# Altium PCB MAINBOARD_PCB.PcbDoc (part 5 of 5)
Units mm, origin at the board's own origin, x right, y up, seen from the top; angles counter-clockwise.
Board outline 480.55 x 38.8 mm, 4 copper layers (Top Layer, Int1 (GND), Int2 (PWR), Bottom Layer), stack 1.547 mm thick; 399 components, 366 nets, 1333 pads, 1063 vias.
Unrouted connection lines stored in the file: 46.
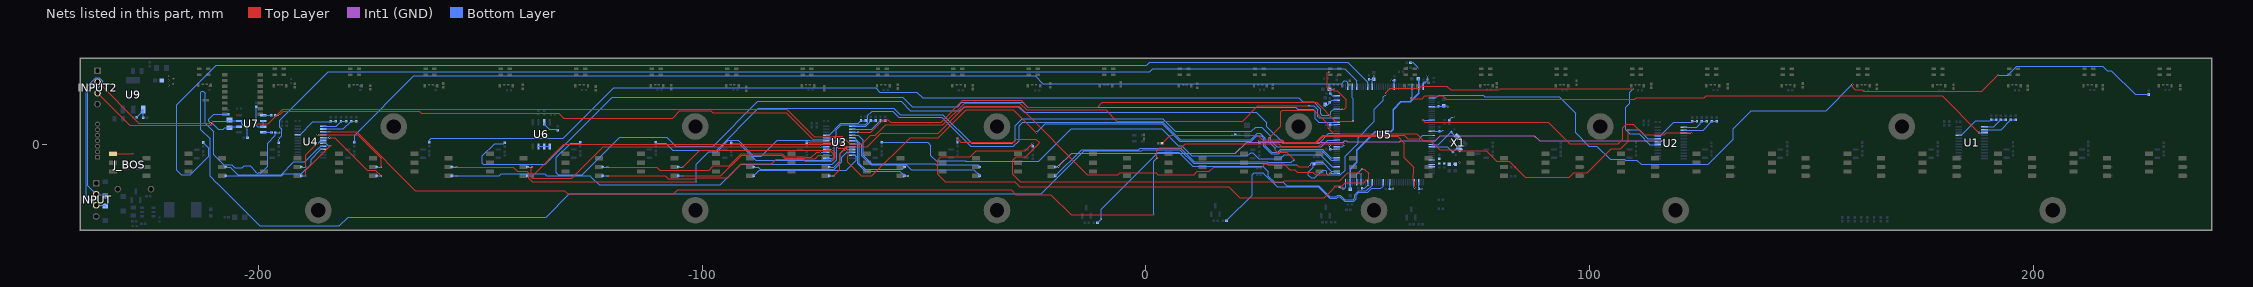
[diagram p7: the nets of this part, all layers, seen from the top]

## Via types
v1: diameter 0.4, hole 0.2, Top Layer to Bottom Layer, tented both sides, 1063 vias

## Nets (pads, with @x,y where several pads share a name; then routed paths per layer and width w, separated by ;. In a path a pad name is that pad's centre, name@x,y a point inside that pad or via, vN(x,y) a via of type N, cw(c..) or ccw(c..) an arc to the next point about the centre after c; other vN are vias at no path point) (continued)
NetR56_2: R56.2 U2.18 | length 110.2
  Top Layer w0.2: v1(54.05,11.2) 54.05,11.6 55.06,12.61 61.558,12.61 61.573,12.626 61.585,12.626 62.01,13.05 67.847,13.05 68.658,12.239 79.52,12.239 79.836,12.555 109.795,12.555 v1(109.825,12.525)
  Bottom Layer w0.2: R56.2@37.875,-4.525 37.85,-4.525 37.675,-4.7 37.675,-5.192 36.6,-6.267 36.6,-6.966 37.234,-7.6 38.075,-7.6 39.85,-5.825 40.563,-5.825 40.7,-5.962 40.7,-6.655 40.934,-6.89 43.844,-6.89 44.875,-5.859 44.875,-2.716 47.807,0.216 47.807,1.504 51.453,5.15 51.453,7.878 53.525,9.95 53.525,10.675 v1(54.05,11.2) ; v1(109.825,12.525) 109.05,11.75 109.05,9.2 108.152,8.302 108.152,3.277 108.364,3.064 109.066,2.362 109.486,2.362 109.498,2.375 111.168,2.375 113.593,-0.05 U2.18@115.373,-0.05
NetR58_2: R58.2 U5.41 | length 47.3
  Top Layer w0.2: v1(25.522,0.9) 25.722,0.7 30.174,0.7 30.674,0.2 38.351,0.2 39.926,1.775 56.759,1.775 58.275,0.259 58.275,-3.05 60.4,-5.175 60.4,-6.691 60.294,-6.797 60.294,-8.212 60.55,-8.469 v1(60.55,-9.775)
  Bottom Layer w0.2: R58.2@25.519,0.316 25.522,0.32 v1(25.522,0.9) ; U5.41@60.494,-8.519 60.494,-9.719 v1(60.55,-9.775)
NetR59_2: R59.2 U5.55 | length 48.3
  Bottom Layer w0.15: R59.2@18.144,-17.25 18.169,-17.25 18.344,-17.075 18.344,-17.05 23.9,-11.494 23.9,-6.891 24.416,-6.375 26.363,-6.375 29.613,-9.625 38.881,-9.625 41.406,-12.151 42.956,-12.151 43.331,-11.776 43.71,-11.776 44.76,-12.825 46.818,-12.825 47.39,-12.254 47.39,-11.481 48.001,-10.87 49.943,-10.87 50.863,-9.95 52.95,-9.95 53.494,-9.406 U5.55@53.494,-8.519
NetR60_2: R60.2 U5.60 | length 77.6
  Bottom Layer w0.15: R60.2@-10.931,-17.65 -10.906,-17.65 v1(-10.106,-16.85) -10.106,-14.631 2.725,-1.8 7.407,-1.8 10.557,-4.95 26.375,-4.95 27.575,-6.15 27.575,-7.163 28.987,-8.575 30.95,-8.575 31.7,-9.325 38.934,-9.325 41.46,-11.851 42.832,-11.851 43.207,-11.476 43.783,-11.476 44.856,-12.548 46.677,-12.548 47.116,-12.109 47.116,-11.381 47.972,-10.525 49.652,-10.525 50.994,-9.183 U5.60@50.994,-8.519
NetR61_2: R61.2 U2.19 | length 142.7
  Int1 (GND) w0.2: v1(-19.75,-5) -16.775,-2.025 20.152,-2.025 22.677,0.5 44.511,0.5 44.812,0.8 45.143,0.8 45.393,0.55 57.175,0.55 57.45,0.825 65.241,0.825 66.391,1.975 87.567,1.975 88.742,0.8 116.431,0.8 116.707,1.075 v1(116.85,1.075)
  Bottom Layer w0.2: R61.2@-20.446,-5.125 -20.359,-5.038 -19.788,-5.038 v1(-19.75,-5) ; U2.19@115.373,0.6 115.438,0.665 116.296,0.665 116.707,1.075 v1(116.85,1.075)
NetR62_2: R62.2 U3.4 | length 33.8
  Bottom Layer w0.2: U3.4@-66.235,2.075 -64.881,2.075 -63.769,0.963 -63.769,-2.437 -61.856,-4.35 -47.55,-4.35 -47.25,-4.65 -37.913,-4.65 -37.788,-4.776 -37.788,-4.809 -37.471,-5.125 R62.2@-37.446,-5.125
NetR63_2: R63.2 U3.6 | length 17.2
  Bottom Layer w0.2: U3.6@-66.235,0.775 -65.441,0.775 -64.6,-0.066 -64.6,-4.347 -63.334,-5.613 -55.526,-5.613 -55.464,-5.675 -54.988,-5.675 -54.796,-5.483 -54.796,-5.45 -54.471,-5.125 R63.2@-54.446,-5.125
NetR64_2: R64.2 U2.20 | length 172.2
  Top Layer w0.2: v1(27.65,1.4) 30.325,4.075 30.325,7.3 30.742,7.717 37.858,7.717 41.094,4.481 41.094,3.559 42.278,2.375 61.019,2.375 62.544,0.85 64.125,0.85 66.175,-1.2 70.55,-1.2 70.78,-1.43 76.674,-1.43 79.064,-3.82 81.874,-3.82 85.474,-7.42 95.433,-7.42 96.423,-6.43 99.447,-6.43 104.851,-1.025 107.076,-1.025 108.75,0.649 108.75,3.206 v1(108.769,3.225) ; v1(29.1,-0.9) 29.1,-1.325 29.605,-1.83 31.73,-1.83 v1(33.375,-3.475)
  Bottom Layer w0.2: R64.2@-20.446,-7.125 -20.421,-7.125 -14.496,-1.2 -1.601,-1.2 -1.301,-0.9 7.78,-0.9 10.867,-3.987 27.32,-3.987 27.407,-4.075 32.775,-4.075 v1(33.375,-3.475) ; v1(27.65,1.4) 27.675,1.375 27.675,0.525 v1(29.1,-0.9) ; v1(108.769,3.225) 111.167,3.225 113.142,1.25 U2.20@115.373,1.25
NetR66_2: R66.2 U3.5 | length 33.7
  Bottom Layer w0.2: U3.5@-66.235,1.425 -65.676,1.425 -65.326,1.075 -65.317,1.075 -64.069,-0.173 -64.069,-2.562 -61.98,-4.65 -54.063,-4.65 -52.93,-5.784 -38.78,-5.784 -37.646,-6.917 -37.646,-6.95 -37.471,-7.125 R66.2@-37.446,-7.125
NetR68_2: R68.2 U3.7 | length 18.2
  Bottom Layer w0.2: U3.7@-66.235,0.125 -66.218,0.108 -65.199,0.108 -64.999,-0.092 -64.999,-3.707 -65.007,-3.715 -65.007,-4.365 -63.321,-6.05 -55.513,-6.05 -54.646,-6.917 -54.646,-6.95 -54.471,-7.125 R68.2@-54.446,-7.125 -54.421,-7.15 -53.666,-7.15 v1(-53.641,-7.175)
NetR70_2: R70.2 U5.67 | length 134.6
  Top Layer w0.2: v1(-25.581,0.225) -27.236,-1.43 -38.281,-1.43 -39.671,-2.82 -46.271,-2.82 -46.998,-3.547 -46.998,-6.703 -45.281,-8.42 -29.554,-8.42 -28.448,-9.525 18.65,-9.525 21.15,-12.025 40.213,-12.025 42.402,-9.836 42.402,-9.61 42.636,-9.375 44.21,-9.375 44.866,-8.72 49.097,-8.72 50.194,-7.623 50.194,-6.585 49.222,-5.614 48.766,-5.614 v1(48.727,-5.575)
  Bottom Layer w0.2: v1(-25.581,0.225) -25.562,0.206 -25.562,-0.406 R70.2@-25.544,-0.425 ; U5.67@47.494,-8.519 47.494,-6.744 48.662,-5.575 v1(48.727,-5.575)
NetR71_2: R71.2 U5.65 | length 113.1
  Top Layer w0.2: v1(-42.499,1.4) -42.499,1.345 -42.199,1.046 -42.199,0.976 -41.724,0.5 -29.85,0.5 -29.225,1.125 -24.816,1.125 -24.099,0.409 -24.099,0.217 -27.137,-2.82 -29.271,-2.82 -29.998,-3.547 -29.998,-6.703 -28.301,-8.4 -22.55,-8.4 -22.529,-8.42 -20.063,-8.42 -20.043,-8.4 -5.55,-8.4 -5.529,-8.42 -3.063,-8.42 -3.043,-8.4 11.45,-8.4 11.471,-8.42 30.937,-8.42 31.182,-8.175 43.713,-8.175 45.459,-6.43 47.934,-6.43 48.167,-6.662 48.489,-6.662 v1(48.527,-6.7)
  Bottom Layer w0.2: R71.2@-42.499,0.45 v1(-42.499,1.4) ; U5.65@48.494,-8.519 48.52,-8.493 v1@48.52,-6.75
NetR72_2: R72.2 U5.76 | length 113.6
  Bottom Layer w0.2: R72.2@-59.556,0.45 -59.556,0.425 -49.25,0.425 -48.5,-0.325 -48.5,-2.575 -47.325,-3.75 -40.69,-3.75 -40.64,-3.8 -24.198,-3.8 -16.898,3.5 3.499,3.5 7.299,-0.3 8.028,-0.3 10.367,-2.639 22.874,-2.639 23.588,-1.925 24.075,-1.925 24.97,-2.821 24.97,-2.843 25.402,-3.275 30.278,-3.275 31.178,-2.375 39.305,-2.375 41.98,-5.05 U5.76@43.025,-5.05
NetR73_2: R73.2 U3.8 | length 8.1
  Bottom Layer w0.2: R73.2@-71.446,-5.125 -70.356,-5.125 -68.95,-3.719 -68.95,-1.97 -67.505,-0.525 U3.8@-66.235,-0.525
NetR74_2: R74.2 U3.10 | length 24.6
  Bottom Layer w0.2: R74.2@-88.446,-5.125 -87.431,-5.125 -86.956,-5.6 -70.265,-5.6 -68.6,-3.935 -68.6,-2.92 -67.505,-1.825 U3.10@-66.235,-1.825
NetR75_2: R75.2 U3.13 | length 39.4
  Top Layer w0.2: v1(-104.431,-5.125) -100.631,-1.325 -71.308,-1.325 -70.323,-2.309 -70.323,-2.725 v1(-70.723,-3.125)
  Bottom Layer w0.2: R75.2@-105.446,-5.125 v1(-104.431,-5.125) ; U3.13@-72.077,-3.125 v1(-70.723,-3.125)
NetR76_2: R76.2 U3.9 | length 9.7
  Top Layer w0.2: v1(-70.431,-7.125) -69.01,-5.704 -69.01,-2.285 -68.125,-1.4 v1(-67.578,-1.4)
  Bottom Layer w0.2: R76.2@-71.446,-7.125 v1(-70.431,-7.125) ; v1(-67.578,-1.4) -67.524,-1.4 -67.299,-1.175 U3.9@-66.235,-1.175
NetR78_2: R78.2 U3.11 | length 26.4
  Bottom Layer w0.2: R78.2@-88.446,-7.125 -88.421,-7.125 -87.196,-5.9 -67.616,-5.9 -65.299,-3.583 -65.299,-2.853 -65.676,-2.475 U3.11@-66.235,-2.475
NetR80_2: R80.2 U3.14 | length 38.7
  Top Layer w0.2: v1(-104.431,-7.125) -95.842,-7.125 -91.147,-2.43 -82.134,-2.43 -81.434,-3.13 -77.165,-3.13 -77.02,-3.275 -74.622,-3.275 -73.777,-2.43 -70.823,-2.43 -70.777,-2.475 v1(-70.723,-2.475)
  Bottom Layer w0.2: R80.2@-105.446,-7.125 v1(-104.431,-7.125) ; U3.14@-72.077,-2.475 v1(-70.723,-2.475)
NetR82_2: R82.2 U5.79 | length 139.5
  Top Layer w0.2: v1(-76.031,0.475) -75.931,0.375 -70.663,0.375 -70.339,0.051 -70.323,0.051 -69.397,-0.875 -67.538,-0.875 -67.178,-1.234 -67.178,-2.655 -67.189,-2.666 -67.189,-4.086 -64.17,-7.105 -61.804,-7.105 -53.2,1.5 -47.025,1.5 -47.008,1.483 -46.842,1.483 -40.55,7.775 -29.9,7.775 v1(-24.75,2.625) v1@-24.725,2.625
  Bottom Layer w0.2: R82.2@-76.524,0.375 -76.424,0.475 v1(-76.031,0.475) ; v1(-24.75,2.625) -22.757,4.618 3.654,4.618 7.597,0.675 23.756,0.675 24.981,1.9 25.937,1.9 26.594,1.243 26.594,-0.419 28.275,-2.1 29.875,-2.1 30.5,-1.475 39.678,-1.475 41.753,-3.55 U5.79@43.025,-3.55
NetR83_2: R83.2 U5.80 | length 160.7
  Bottom Layer w0.2: R83.2@-93.531,0.375 -93.531,0.35 -93.356,0.175 -91.672,0.175 -87.943,-3.554 -71.128,-3.554 -71.099,-3.525 -70.558,-3.525 -70.323,-3.291 -70.323,0.386 -69.825,0.884 -69.825,3.25 -68.675,4.4 -67.057,4.4 -67.055,4.403 -63.246,4.403 -62.681,4.967 -62.681,6.559 -61.766,7.475 -57.137,7.475 -55.75,6.087 -46.036,6.087 -39.524,-0.425 -29.875,-0.425 -28.6,0.85 -28.6,4.217 -27.842,4.975 3.721,4.975 7.721,0.975 23.632,0.975 25.132,2.475 25.786,2.475 26.894,1.367 26.894,-0.294 28.351,-1.752 29.748,-1.752 30.325,-1.175 39.802,-1.175 40.127,-1.5 41.677,-3.05 U5.80@43.025,-3.05
NetR84_2: R84.2 U5.88 | length 170.4
  Bottom Layer w0.15: R84.2@-110.506,0.475 -110.506,0.45 -110.331,0.275 -108.248,0.275 -106.673,-1.3 -96.75,-1.3 -87.375,8.075 -56.84,8.075 -55.452,6.687 -45.787,6.687 -39.3,0.2 -30.125,0.2 -29.525,0.8 -29.525,4.141 -27.866,5.8 3.745,5.8 6.62,2.925 23.756,2.925 24.706,3.875 26.118,3.875 28.167,1.826 28.167,0.743 29.485,-0.575 39.501,-0.575 41.026,0.95 U5.88@43.025,0.95
NetR85_2: R85.2 U3.15 | length 53
  Top Layer w0.2: v1(-121.431,-5.125) -110.307,-5.125 -109.612,-5.82 -98.517,-5.82 -97.517,-4.82 -93.962,-4.82 -91.271,-2.13 -82.01,-2.13 -81.31,-2.83 -77.041,-2.83 -76.895,-2.975 -75.416,-2.975 -74.266,-1.825 v1(-73.431,-1.825)
  Bottom Layer w0.2: R85.2@-122.446,-5.125 v1(-121.431,-5.125) ; v1(-73.431,-1.825) U3.15@-72.077,-1.825
NetR86_2: R86.2 U3.17 | length 73
  Top Layer w0.2: v1(-138.431,-5.125) -138.594,-5.288 -138.594,-7.453 -138.397,-7.65 -129.501,-7.65 -122.376,-0.525 v1(-73.431,-0.525)
  Bottom Layer w0.2: R86.2@-139.446,-5.125 v1(-138.431,-5.125) ; v1(-73.431,-0.525) U3.17@-72.077,-0.525
NetR87_2: R87.2 U3.19 | length 95.7
  Top Layer w0.2: v1(-155.431,-5.125) -142.696,-5.125 -141.701,-6.12 -139.621,-6.12 -139.194,-6.547 -139.194,-7.702 -138.396,-8.5 v1(-101.4,-8.5)
  Bottom Layer w0.2: R87.2@-156.446,-5.125 v1(-155.431,-5.125) ; v1(-101.4,-8.5) -101.4,-4.503 -98.543,-1.646 -96.672,-1.646 -94.151,0.875 -91.948,0.875 -88.398,-2.675 -86.725,-2.675 -83.175,0.875 -75.866,0.875 -75.766,0.775 U3.19@-72.077,0.775
NetR88_2: R88.2 U3.16 | length 58.5
  Top Layer w0.2: v1(-121.431,-7.125) -108.347,-7.125 -107.652,-7.82 -101.71,-7.82 -101.44,-7.55 -94.325,-7.55 -91.205,-4.43 -84.335,-4.43 -83.335,-3.43 -77.289,-3.43 -76.899,-3.82 -70.853,-3.82 -70.023,-2.991 -70.023,-1.875 v1(-70.723,-1.175)
  Bottom Layer w0.2: R88.2@-122.446,-7.125 v1(-121.431,-7.125) ; U3.16@-72.077,-1.175 v1(-70.723,-1.175)
NetR90_2: R90.2 U3.18 | length 73.1
  Top Layer w0.2: v1(-138.182,-7.25) -138.182,-6.951 -131.256,-0.025 v1(-70.853,-0.025)
  Bottom Layer w0.2: R90.2@-139.446,-7.125 -138.356,-7.125 -138.231,-7.25 v1(-138.182,-7.25) ; U3.18@-72.077,0.125 -72.06,0.108 -71.041,0.108 -70.908,-0.025 v1(-70.853,-0.025)
NetR92_2: R92.2 U3.20 | length 98.7
  Top Layer w0.2: v1(-70.25,1.45) -68.975,1.45 v1(-68.95,1.425)
  Bottom Layer w0.2: R92.2@-156.446,-7.125 v1(-155.431,-7.125) -145.781,-7.125 -145.306,-6.65 -135.564,-6.65 -135.089,-7.125 -125.347,-7.125 -125.181,-7.291 -123.297,-9.175 -95.95,-9.175 -91.322,-4.547 -70.731,-4.547 -69.723,-3.539 -69.723,0.138 -68.95,0.91 v1(-68.95,1.425) ; U3.20@-72.077,1.425 -72.052,1.45 v1(-70.25,1.45)
NetR94_2: R94.2 U5.91 | length 201
  Bottom Layer w0.15: R94.2@-127.531,0.45 -127.531,0.425 -127.706,0.25 -129.731,0.25 -132.956,-2.975 -132.956,-6.415 -132.546,-6.825 -127.047,-6.825 -118.647,1.575 -108.025,1.575 -106.05,-0.4 -97.55,-0.4 -87.5,9.65 -55.19,9.65 -53.127,7.587 -41.938,7.587 -41.025,8.5 -28.794,8.5 -27.494,7.2 24.874,7.2 27.25,4.824 27.25,3.982 31.007,0.225 39.028,0.225 41.253,2.45 U5.91@43.025,2.45
NetR95_2: R95.2 U5.96 | length 211.1
  Bottom Layer w0.2: R95.2@-144.571,0.35 -144.571,0.325 -144.746,0.15 -146.871,0.15 -149.656,-2.635 -149.656,-4.291 -149.422,-4.525 -135.422,-4.525 -120.347,10.55 -54.817,10.55 -52.755,8.487 -42.488,8.487 -41.5,9.475 -27.772,9.475 -26.672,8.375 33.775,8.375 34.214,7.936 37.654,7.936 38.133,7.456 38.133,5.767 38.95,4.95 U5.96@43.025,4.95
NetR96_2: R96.2 U5.102 | length 227.2
  Top Layer w0.2: v1(41.325,16.325) 41.287,16.287 41.079,16.287 40.875,16.083 40.875,12.727 41.277,12.325 42,12.325 42.275,12.05 43.109,12.05 45.101,10.059 45.101,8.401 44.65,7.95 v1(44.269,7.95)
  Bottom Layer w0.2: R96.2@-161.556,0.425 -161.556,0.95 -161.132,1.375 -131.384,1.375 -120.008,12.75 -60.972,12.75 -59.997,11.775 -51.657,11.775 -50.382,10.5 34.45,10.5 35.375,9.575 37.797,9.575 39.2,8.172 39.2,8.168 39.359,8.009 39.359,6.883 39.642,6.6 41.4,6.6 41.675,6.875 41.675,7.28 42.345,7.95 U5.102@43.025,7.95 v1(44.269,7.95)
NetR97_2: R97.2 U4.4 | length 20.9
  Top Layer w0.2: v1(-186.789,2.15) -177.716,2.15 -172.431,-3.134 v1(-172.431,-5.125)
  Bottom Layer w0.2: v1(-186.789,2.15) U4.4@-185.435,2.15 ; R97.2@-173.446,-5.125 v1(-172.431,-5.125)
NetR98_2: R98.2 U4.6 | length 9.1
  Top Layer w0.2: v1(-189.431,-5.125) -189.431,-2.4 v1(-186.831,0.2)
  Bottom Layer w0.2: R98.2@-190.446,-5.125 v1(-189.431,-5.125) ; v1(-186.831,0.2) -186.793,0.238 -186.606,0.238 -185.994,0.85 U4.6@-185.435,0.85
NetR99_2: R99.2 U4.8 | length 25.4
  Bottom Layer w0.2: R99.2@-207.446,-5.125 -206.431,-5.125 -204.731,-6.825 -194.972,-6.825 -192.116,-3.969 -189.7,-3.969 -186.806,-1.075 -186.768,-1.037 -186.581,-1.037 -185.994,-0.45 U4.8@-185.435,-0.45
NetR100_2: R100.2 U4.5 | length 17.6
  Top Layer w0.2: v1(-184.081,1.5) -182.897,1.5 -175.577,-5.82 -173.736,-5.82 v1(-172.431,-7.125)
  Bottom Layer w0.2: U4.5@-185.435,1.5 v1(-184.081,1.5) ; R100.2@-173.446,-7.125 v1(-172.431,-7.125)
NetR102_2: R102.2 U4.7 | length 11.9
  Top Layer w0.2: v1(-189.431,-7.125) -189.431,-5.884 -183.897,-0.35 v1(-183.881,-0.35)
  Bottom Layer w0.2: R102.2@-190.446,-7.125 v1(-189.431,-7.125) ; U4.7@-185.435,0.2 -184.876,0.2 -184.365,-0.312 -183.92,-0.312 v1(-183.881,-0.35)
NetR104_2: R104.2 U4.9 | length 25.2
  Bottom Layer w0.2: R104.2@-207.434,-7.137 R104.2@-207.446,-7.125 -194.848,-7.125 -194.373,-6.65 -190.391,-6.65 -188.231,-4.491 -188.231,-3.337 -185.994,-1.1 U4.9@-185.435,-1.1
NetR106_2: R106.2 U5.110 | length 233.2
  Bottom Layer w0.2: R106.2@-178.531,0.425 -178.431,0.525 -178.431,2.044 -165.075,15.4 -25.024,15.4 -23.316,13.692 9.609,13.692 9.617,13.7 44.109,13.7 44.734,14.325 45.066,14.325 45.454,13.937 45.454,12.959 U5.110@45.494,12.919
NetR107_2: R107.2 U5.114 | length 255.6
  Bottom Layer w0.2: R107.2@-195.531,0.35 v1(-195.531,1.3) -194.882,1.949 -194.882,3.418 -195.281,3.817 -195.281,5.433 -184.414,16.3 0.845,16.3 1.57,17.025 44.833,17.025 47.494,14.364 U5.114@47.494,12.919
NetR108_2: R108.2 U5.119 | length 303.1
  Bottom Layer w0.2: R108.2@-212.544,0.388 -212.544,0.363 -212.219,0.038 -212.186,0.038 -211.306,-0.842 -211.306,-2.716 -215.416,-6.825 -217.546,-6.825 -218.506,-5.865 -218.506,8.893 -209.599,17.8 0.15,17.8 0.875,18.525 45.454,18.525 49.994,13.986 U5.119@49.994,12.919
NetR146_2: R146.2 U6.7 | length 4.1
  Bottom Layer w0.2: U6.7@-135.703,4.99 -135.703,4.548 -134.555,3.4 -132.756,3.4 -132.581,3.225 R146.2@-132.581,3.2
NetR147_1: R147.1 U7.1 | length 1.8
  Bottom Layer w0.2: U7.1@-198.991,6.523 U7.1@-198.991,6.523 -197.182,6.524 R147.1@-197.181,6.525
NetR147_2: R147.2 U5.73 | length 257.1
  Top Layer w0.2: v1(-195.382,6.525) -194.457,7.45 -163.787,7.45 -163.337,7 -132.722,7 -132.697,7.025 -132.366,7.025 -131.216,5.875 -106.725,5.875 -105.075,7.525 -98.075,7.525 -97.65,7.1 -81.05,7.1 -75.075,1.125 -70.989,1.125 -70.215,0.351 -68.805,0.351 -67.879,-0.575 -62.797,-0.575 -59.772,2.45 -46.876,2.45 -40.751,8.575 -28.625,8.575 -13.23,-6.82 -6.283,-6.82 -5.893,-6.43 2.311,-6.43 2.701,-6.82 10.904,-6.82 11.604,-6.12 14.234,-6.12 15.225,-5.13 26.058,-5.13 26.758,-4.43 31.108,-4.43 32.453,-5.775 33.587,-5.775 34.112,-6.3 37.599,-6.3 38.119,-6.82 41.255,-6.82 v1(41.625,-6.45)
  Bottom Layer w0.2: R147.2@-196.331,6.525 v1(-195.382,6.525) ; v1(41.625,-6.45) 41.679,-6.45 41.779,-6.55 U5.73@43.025,-6.55
NetR148_1: R148.1 U7.4 | length 1.9
  Bottom Layer w0.2: U7.4@-198.991,2.713 -198.959,2.681 -197.188,2.681 R148.1@-197.156,2.65
NetR148_2: R148.2 U5.74 | length 329.5
  Top Layer w0.2: v1(34,-4.6) 34.433,-5.033 36.767,-5.033 v1(36.825,-4.975)
  Bottom Layer w0.2: v1(-195.282,2.65) R148.2@-196.306,2.65 -196.306,1.994 -198.048,0.252 -198.048,-4.923 -199.65,-6.525 -199.87,-6.305 -200.091,-6.525 -200.422,-6.525 -200.656,-6.291 -200.656,-6.149 -201.924,-4.881 -203.307,-4.881 -203.726,-5.3 -205.495,-5.3 -206.145,-4.65 -207.913,-4.65 -210.206,-2.357 -210.206,2.856 -212.05,4.699 -212.05,11.466 -212.509,11.925 -212.841,11.925 -213.075,11.691 -213.075,3.3 -211.006,1.231 -211.006,-7.234 -209.611,-8.63 -209.519,-8.63 -199.774,-18.375 -181.872,-18.375 -179.897,-16.4 -135.266,-16.4 -130.016,-11.15 -23.613,-11.15 -13.963,-1.5 -0.95,-1.5 -0.65,-1.2 7.656,-1.2 10.743,-4.287 27.195,-4.287 27.283,-4.375 27.508,-4.6 v1(34,-4.6) ; v1(36.825,-4.975) 36.825,-4.973 37.178,-4.621 37.178,-4.364 37.492,-4.05 39.8,-4.05 41.8,-6.05 U5.74@43.025,-6.05 U5.74@43.622,-6.05
NetR149_2: R149.2 U5.98 U7.2 U7.3 | length 265
  Top Layer w0.2: v1(-200.924,4.618) -197.854,4.618 -194.572,7.9 -81,7.9 -74.825,1.725 -70.541,1.725 -70.416,1.85 -68.58,1.85 -66.805,0.075 -64.02,0.075 -62.045,2.05 -61.02,2.05 -58.708,4.363 -45.812,4.363 -40.9,9.275 -28.42,9.275 -26.92,7.775 -9.096,7.775 -6.546,5.225 21.784,5.225 25.228,8.668 v1(36.727,8.668)
  Bottom Layer w0.2: R149.2@-200.581,8.475 -200.581,4.982 -200.924,4.639 v1(-200.924,4.618) -200.289,3.983 U7.3@-198.991,3.983 U7.2@-198.991,5.253 ; v1(36.727,8.668) 37.827,8.668 38.751,7.744 38.751,6.252 39.053,5.95 U5.98@43.025,5.95
NetR156_1: R156.1 R157.2 U9.1 | length 4.3
  Bottom Layer w0.2: R156.1@-227.506,6.05 -227.481,6.05 -226.466,7.065 -226.466,7.486 U9.1@-226.066,7.886 -226.066,6.04 R157.2@-226.081,6.025
NetR158_2: R158.2 U5.2 | length 185.8
  Top Layer w0.2: v1(159.258,13.501) 159.258,12.92 159.868,12.31 161.409,12.31 161.819,11.9 188.425,11.9 v1(192.062,15.538)
  Bottom Layer w0.2: U5.2@64.463,10.45 65.344,10.45 65.996,11.102 76.036,11.102 76.388,10.75 93.125,10.75 96.85,7.025 96.85,2.55 99.831,-0.431 101.626,-0.431 104.62,-3.425 107.889,-3.425 108.019,-3.554 110.604,-3.554 111.6,-4.55 126.725,-4.55 132.373,1.098 132.373,3.495 136.478,7.6 153.357,7.6 v1(159.258,13.501) ; v1(192.062,15.538) 194.313,15.538 196.325,17.55 215.75,17.55 216.725,16.575 217.638,16.575 222.988,11.225 R158.2@226.05,11.225
NetR168_2: R168.2 R3001.2 U5.19 | length 64.3
  Top Layer w0.2: R3001.2@3.625,0.25 3.65,0.25 5.45,2.05 v1(19.4,2.05) 25.15,2.05 26.2,1 30.723,1 31.223,0.5 38.227,0.5 39.802,2.075 58.2,2.075 59.025,1.25 v1(61.578,1.25)
  Bottom Layer w0.2: v1(19.4,2.05) 20.05,2.05 R168.2@20.1,2.1 ; v1(61.578,1.25) 62.353,2.025 64.387,2.025 U5.19@64.463,1.95
NetU1_3: U1.3 U5.139 | length 136.4
  Top Layer w0.2: v1(59.725,10.35) 59.774,10.301 62.23,10.301 62.88,10.95 66.9,10.95 67.725,10.125 110.137,10.125 110.487,10.475 125.898,10.475 126.323,10.9 179.519,10.9 v1(187.769,2.65)
  Bottom Layer w0.2: v1(59.725,10.35) 59.725,10.404 59.994,10.673 U5.139@59.994,12.919 ; v1(187.769,2.65) U1.3@189.04,2.65
NetU2_3: U2.3 U5.12 | length 71.2
  Top Layer w0.2: v1(62.394,5.475) 62.869,5 90.658,5 95.483,0.175 106.5,0.175 107.469,1.144 107.469,3.763 108.23,4.525 109.904,4.525 112.241,2.188 116.855,2.188 117.267,2.6 122.85,2.6 v1(122.975,2.475)
  Bottom Layer w0.2: v1(62.394,5.475) 62.406,5.463 64.45,5.463 U5.12@64.463,5.45 ; U2.3@121.215,2.55 121.29,2.475 v1(122.975,2.475)
NetU3_3: U3.3 U5.112 | length 126.9
  Top Layer w0.2: v1(-64.956,2.75) -62.018,2.75 -59.197,5.571 -58.203,5.571 -57.595,4.963 -46.204,4.963 -41.291,9.875 -28.172,9.875 -26.672,8.375 -10.9,8.375 -9.839,9.436 38.497,9.436 42.709,5.225 v1(46.675,5.225)
  Bottom Layer w0.2: U3.3@-66.235,2.725 -66.223,2.738 -64.969,2.738 v1(-64.956,2.75) ; U5.112@46.494,12.919 46.494,10.525 46.675,10.344 v1(46.675,5.225)
NetU4_3: U4.3 U5.85 | length 255.7
  Top Layer w0.2: v1(-184.081,2.8) -177.941,2.8 -164.716,-10.425 -131.1,-10.425 -130.375,-11.15 -106.451,-11.15 -105.522,-10.22 -30.427,-10.22 -29.322,-11.325 -21.425,-11.325 -16.85,-15.9 v1(1.725,-15.9) ; v1(2.475,-3.1) 2.475,-1.475 3.125,-0.825 7.962,-0.825 8.887,0.1 29.9,0.1 30.475,-0.475 38.975,-0.475 39.575,0.125 44.5,0.125 v1(44.7,-0.075)
  Bottom Layer w0.2: U4.3@-185.435,2.8 v1(-184.081,2.8) ; v1(1.725,-15.9) 1.725,-3.85 v1(2.475,-3.1) ; U5.85@43.025,-0.55 44.225,-0.55 v1(44.7,-0.075)
NetU6_1: U6.1 U6.2 U6.3 | length 2.5
  Bottom Layer w0.2: U6.3@-136.973,-0.49 U6.2@-135.703,-0.49 U6.1@-134.433,-0.49
OSC_IN: C31.1 U5.23 X1.3 | length 7.3
  Bottom Layer w0.2: U5.23@64.463,-0.05 65.928,-0.05 68.71,2.732 C31.1@68.851,2.732 69.87,1.712 X1.3@70.194,1.712
OSC_OUT: C30.1 U5.24 X1.1 | length 7
  Bottom Layer w0.2: U5.24@64.463,-0.55 67.969,-0.55 C30.1@69.176,-1.757 69.957,-0.975 X1.1@70.619,-0.975
RS485_N: D1.1 INPUT2.3 INPUT.3 R1001.1 R_TERM.1 U7.7 | length 78.8
  Top Layer w0.2: INPUT2.3@-236.375,11.55 -229.125,4.3 -210.745,4.3 -210.51,4.535 -210.51,4.866 -210.587,4.942 -210.587,5.112 v1(-210.625,5.15)
  Bottom Layer w0.2: INPUT2.3@-236.375,11.55 INPUT2.3@-236.3,11.55 ; INPUT2.3@-236.225,11.475 INPUT2.3@-236.3,11.55 ; D1.1@-234.656,-13.925 -234.806,-13.775 INPUT.3@-236.681,-13.775 -238.875,-11.581 -238.875,12.899 -236.77,15.004 -235.98,15.004 -235.235,14.259 -235.235,13.792 -236.375,12.652 -236.375,11.625 INPUT2.3@-236.3,11.55 ; v1(-210.625,5.15) -207.106,5.15 -207.031,5.075 R_TERM.1@-206.631,5.475 -206.409,5.253 U7.7@-204.472,5.253 -204.03,5.253 -203.863,5.087 -203.863,4.632 -202.575,3.344 R1001.1@-202.575,1.425
RS485_P: D2.1 INPUT2.2 INPUT.2 R1002.2 R_TERM.2 U7.6 | length 71.9
  Top Layer w0.2: INPUT2.2@-236.375,14.05 -227.025,4.7 v1(-210.91,4.7)
  Bottom Layer w0.2: INPUT2.2@-236.375,14.05 -236.375,13.875 -236.475,13.775 -236.65,13.775 -238.575,11.85 -238.575,-9.381 INPUT.2@-236.681,-11.275 -236.581,-11.375 -234.956,-11.375 D2.1@-234.656,-11.675 ; R1002.2@-206.85,6.8 -206.85,6.775 -210.2,6.775 -211.3,5.675 -211.3,5.15 -210.91,4.76 v1(-210.91,4.7) -210.475,4.7 -209.2,3.425 -208.031,3.425 -207.731,3.725 R_TERM.2@-206.631,3.725 -206.373,3.983 U7.6@-204.472,3.983
TCA1_A0: R109.1 R110.1 U1.1 | length 5.5
  Bottom Layer w0.2: U1.1@189.04,3.95 191.169,3.95 192.744,5.525 R109.1@192.744,5.55 R110.1@193.869,5.55
TCA1_A1: R111.1 R112.1 U1.2 | length 8
  Bottom Layer w0.2: U1.2@189.04,3.3 192.769,3.3 194.994,5.525 R111.1@194.994,5.55 R112.1@196.094,5.55
TCA1_A2: R113.1 R114.1 U1.21 | length 9.9
  Bottom Layer w0.2: U1.21@183.198,2 183.757,2 187.106,5.35 190.369,5.35 190.544,5.525 R113.1@190.544,5.55 R114.1@191.643,5.55
TCA2_A0: R115.1 R120.1 U2.1 | length 5.9
  Bottom Layer w0.2: U2.1@121.215,3.85 124.176,3.85 124.994,4.668 124.994,4.825 125.319,5.15 R120.1@125.319,5.175 R115.1@126.419,5.175
TCA2_A1: R116.1 R117.1 U2.2 | length 8.3
  Bottom Layer w0.2: U2.2@121.215,3.2 125.594,3.2 127.544,5.15 R116.1@127.544,5.175 R117.1@128.669,5.175
TCA2_A2: R118.1 R119.1 U2.21 | length 10.2
  Bottom Layer w0.2: U2.21@115.373,1.9 115.932,1.9 119.006,4.975 122.944,4.975 123.119,5.15 R119.1@123.119,5.175 R118.1@124.219,5.175
TCA3_A0: R122.1 R123.1 U3.1 | length 5.9
  Bottom Layer w0.2: U3.1@-66.235,4.025 -63.199,4.025 -62.231,4.993 -62.231,5.175 R122.1@-62.056,5.35 R123.1@-60.956,5.35
TCA3_A1: R121.1 R126.1 U3.2 | length 8.3
  Bottom Layer w0.2: U3.2@-66.235,3.375 -61.806,3.375 -59.856,5.325 R126.1@-59.856,5.35 R121.1@-58.756,5.35
TCA3_A2: R124.1 R125.1 U3.21 | length 10.3
  Bottom Layer w0.2: U3.21@-72.077,2.075 -71.45,2.075 -68.825,4.7 -67.182,4.7 -67.179,4.703 -64.878,4.703 -64.256,5.325 R124.1@-64.256,5.35 R125.1@-63.156,5.35
TCA4_A0: R127.1 R131.1 U4.1 | length 5.6
  Bottom Layer w0.2: U4.1@-185.435,4.1 -182.581,4.1 -181.481,5.2 R127.1@-181.481,5.225 R131.1@-180.331,5.225
TCA4_A1: R128.1 R132.1 U4.2 | length 8.1
  Bottom Layer w0.2: U4.2@-185.435,3.45 -180.931,3.45 -179.181,5.2 R132.1@-179.181,5.225 R128.1@-178.081,5.225
TCA4_A2: R129.1 R130.1 U4.21 | length 9.9
  Bottom Layer w0.2: U4.21@-191.277,2.15 -190.718,2.15 -187.843,5.025 -183.931,5.025 -183.756,5.2 R129.1@-183.756,5.225 R130.1@-182.631,5.225
VCAP: C5.2 C6.2 U5.70 U5.142 | length 34
  Bottom Layer w0.3: C5.2@46.019,-10.125 45.994,-10.1 U5.70@45.994,-8.519 45.994,-5.574 47.527,-4.04 47.527,-1.359 51.669,2.782 55.132,2.782 55.7,3.35 55.7,7.834 57.416,9.55 59.562,9.55 61.503,11.492 U5.142@61.503,12.278 ; C6.2@61.419,14.75 61.494,14.675 U5.142@61.494,12.919
VDD_MCU: C7.1 C8.2 C9.2 C10.1 C11.2 C12.1 C13.2 C14.1 C15.2 C16.1 C17.1 C18.1 C19.1 C20.1 C21.2 C22.1 C23.1 C24.1 C25.1 C26.1 C27.1 C28.1 J_BOS.1 L1.2 R134.2 R135.2 U5.6 U5.17 U5.30 U5.32 U5.33 U5.39 U5.52 U5.62 U5.72 U5.84 U5.95 U5.106 U5.108 U5.121 U5.131 U5.144 | length 46.1
  Top Layer w0.2: J_BOS.1@-232.896,-2.125 -232.862,-2.159 v1(-228.45,-2.159)
  Bottom Layer w0.2: C11.2@40.341,8.957 40.09,9.208 40.293,8.923 40.343,8.853 40.273,8.853 C11.2@40.516,8.61 ; C11.2@40.681,8.61 C11.2@40.516,8.61 ; v1(41.35,-0.275) 41.388,-0.313 41.388,-0.959 C24.1@41.526,-1.097 41.55,-1.073 43.001,-1.073 U5.84@43.025,-1.05 ; v1(41.494,3.725) 41.506,3.738 41.506,4.413 C23.1@41.519,4.425 41.544,4.45 U5.95@43.025,4.45 ; v1(42.444,12.45) 41.419,12.45 C21.2@41.369,12.4 41.519,12.25 41.519,11.25 41.744,11.25 42.044,10.95 U5.108@43.025,10.95 ; U5.106@43.025,9.95 41.928,9.95 C22.1@41.442,9.464 41.442,9.404 40.651,8.613 v1(40.651,8.475) 40.582,8.544 C11.2@40.516,8.61 ; C26.1@43.675,-9.65 43.825,-9.8 44.196,-9.8 44.371,-9.975 v1(44.425,-9.975) 44.675,-9.975 44.994,-9.656 U5.72@44.994,-8.519 ; C28.1@48.731,-9.922 49.323,-9.922 U5.62@50.02,-9.225 ; U5.62@49.994,-8.519 50.025,-8.55 v1(50.025,-9.225) ; C25.1@50.3,14.65 C7.1@51.319,14.65 ; U5.121@50.994,12.919 50.994,14.325 C7.1@51.319,14.65 ; v1(51.325,15.4) 51.325,14.656 C7.1@51.319,14.65 ; U5.52@54.994,-8.519 54.994,-10.025 55.006,-10.012 55.656,-10.012 v1(55.669,-10) ; v1(55.369,14.425) 55.824,14.425 55.994,14.255 U5.131@55.994,12.919 ; R134.2@59.644,18.425 59.657,18.438 60.191,18.438 v1(61.378,17.251) ; U5.39@61.494,-8.519 61.506,-8.531 61.506,-10.012 C17.1@61.519,-10.025 v1(62.219,-10.025) ; U5.144@62.494,12.919 62.494,13.869 62.775,14.15 63.225,14.15 63.469,14.394 C20.1@63.469,14.6 63.481,14.613 63.481,15.438 v1(63.494,15.45) ; U5.17@64.463,2.95 66.621,2.95 66.971,3.3 v1(67.025,3.3) ; U5.6@64.463,8.45 65.869,8.45 C18.1@65.969,8.55 67.019,8.55 C9.2@67.119,8.65 67.819,8.65 68.019,8.45 v1(68.069,8.45) ; R135.2@68.394,5.45 68.394,5.475 68.975,6.056 69.456,6.056 v1(69.475,6.075)
  other v1: 69.35,-4.75 70.669,-4.1 -220.331,13.225 -219.281,13.575 -220.331,14.375 -219.256,14.75 -220.306,15.325
pads on no net: J_BOS.6 U4.10 U4.11 U4.13 U4.14 U4.15 U4.16 U4.17 U4.18 U4.19 U4.20
copper on no net:
  other v1: 65.569,-17.375 -214.35,11.975

## Polygon pours and split planes (outlines as drawn)
GND on Bottom Layer "Bottom Layer-GND" (solid, remove dead copper, pour order 48): -240.25,19.375 -240.25,-19.375 240.244,-19.375 240.244,19.375
no net on Bottom Layer "Bottom Layer-No Net 3" (solid, pour order 54): -227.981,-9.825 -228.175,-9.631 -228.175,-4.325 -227.625,-4.325 -226.875,-3.575 -226.15,-4.3 -225.575,-4.3
no net on Bottom Layer "Bottom Layer-No Net 4" (solid, pour order 50): -223.306,-7.75 -225.275,-5.781 -225.275,-5.775
3V3_INT on Int2 (PWR) "Int2 (PWR)-3V3_INT" (solid, remove dead copper, pour order 174): -211.225,-6.9 -210.45,-7.675 -26.35,-7.675 -26.35,-7.875 -15.075,-19.15 231.6,-19.15 235.45,-15.3 235.45,0.275 227.45,8.275 80.45,8.275 76,3.825 76,-3.575 75.025,-3.575 66.85,-11.75 38.125,-11.75 25.225,1.15 16.85,1.15 16.3,0.6 16.3,-5.375 11.175,-10.5 -0.5,-10.5 -1.7,-9.3 -11.6,0.6 -57.289,0.6 -58.2,1.511 -58.2,7.35 -58.525,7.675 -73.175,7.675 -75.375,5.475 -75.375,2.175 -76.95,0.6 -131.1,0.6 -132.175,1.675 -132.175,6.5 -133.425,7.75 -133.425,7.775 -135.875,7.775 -136.9,6.75 -136.9,2.95 -139.25,0.6 -174.425,0.6 -176.125,2.3 -176.125,6.95 -176.8,7.625 -191.775,7.625 -193.325,6.075 -193.325,1.625 -193.4,1.625 -193.875,1.15 -211.4,1.15 -213.35,-0.8 -213.35,-2.675 -214.25,-3.575 -228.325,-3.575 -229.2,-2.7 -229.2,1.1 -223.95,6.35 -223.95,16.9 -224.225,17.175 -225.825,17.175 -226.7,16.3 -226.7,7.1 -230.175,3.625 -230.175,-4.05 -227.325,-6.9
5V0_INT on Int2 (PWR) "Int2 (PWR)-5V0_INT" (solid, pour order 168): 7.625,9.025 10.35,11.75 40,11.75 42.415,14.165 49.04,14.165 51.3,16.425 55.65,16.425 57.275,14.8 57.925,14.8 60.975,17.85 64.625,17.85 64.65,17.825 70.775,11.7 232.075,11.7 234.625,11.7 235.05,12.125 235.05,15.325 235.05,15.575 231.95,18.675 41.325,18.675 -230.8,18.675 -232.36,17.115 -232.36,1.24 -235.075,-1.475 -235.95,-2.35 -237.475,-2.35 -237.85,-2.725 -237.85,-3.75 -236.927,-4.673 -233.702,-4.673 -229.8,-8.575 -229.8,-10.475 -232.175,-12.85 -232.175,-16.725 -230.3,-18.6 -208.15,-18.6 -207.45,-18.6 -205.55,-16.7 -205.55,-13.325 -206.725,-12.15 -214.6,-12.15 -214.8,-12.15 -214.938,-12.15 -215.025,-12.15 -215.55,-12.15 -217.671,-12.15 -220.85,-12.15 -224.931,-12.149 -230.3,-5.325 -230.3,3.85 -227.128,7.022 -227.125,7.059 -227.125,16.4 -225.925,17.6 -224.225,17.6 -223.5,16.875 -223.5,9.325 -223.2,9.025 -222.6,9.025 -221.3,10.325 -221.3,15.675 -220.3,16.675 -218.325,16.675 -217.375,15.725 -217.375,9.325 -217.075,9.025 -202.6,9.025 -199.875,11.75 -12.775,11.75 1.525,-2.55 7.125,-2.55 7.625,-2.05
VDD_MCU on Int2 (PWR) "Int2 (PWR)-VDD_MCU" (solid, pour order 150): 15.75,3.6 16.55,4.4 27.425,4.4 31.1,8.075 38.525,8.075 40.05,6.55 40.05,-8.675 42.325,-10.95 64.15,-10.95 70.15,-4.95 71.95,-3.15 71.95,-2.075 70.4,-0.525 70.4,11.7 64.375,17.725 61.175,17.725 57.9,14.45 56.775,14.45 55.4,15.825 50.9,15.825 49.053,13.978 42.778,13.978 39.575,10.775 10.65,10.775 8.225,8.35 8.225,-3.7 6.975,-4.95 3.05,-4.95 -12.675,10.775 -198.975,10.775 -201.725,8.025 -201.825,8.125 -217.6,8.125 -217.9,8.425 -217.9,15.825 -217.875,15.85 -218.375,16.35 -220.125,16.35 -220.75,15.725 -220.775,15.725 -220.775,9.153 -229.025,0.903 -229.025,-2.575 -228.75,-2.85 -228.38,-3.22 -225.52,-3.22 -217.9,4.4 -194.325,4.4 -193.75,4.975 -193.75,6.7 -192.6,7.85 -59.15,7.85 -58.3,7.85 -58.025,7.575 -58.025,6.1 -56.325,4.4 -14.6,4.4 -0.325,-9.875 10.725,-9.875 15.75,-4.85
12V0_PWIN on Int2 (PWR) "Int2 (PWR)-12V0_PWIN" (solid, pour order 82): -230.85,-11.325 -230.275,-10.749 -230.275,-8.476 -231.325,-7.425 -237.85,-7.425 -237.85,-4.85 -238.15,-4.55 -238.15,-3.35 -238.15,14.925 -235.625,14.925 -234.8,15.75 -234.8,17.85 -235.925,18.975 -238.375,18.975 -239.9,17.45 -239.9,-8.525 -237.1,-11.325
GND on Int1 (GND) "Int1 (GND)-GND" (solid, remove dead copper, pour order 44): -240.25,19.375 -240.25,-19.375 240.244,-19.375 240.244,19.375
GND on Top Layer "Top Layer-GND" (solid, remove dead copper, pour order 42): -240.25,19.375 -240.25,-19.375 240.244,-19.375 240.244,19.375

## Other copper
Top Layer:
  region net 12V0_PWIN: -237.581,-9.775 -230.956,-9.775 -230.381,-9.2 -230.381,-8.075 -230.956,-7.5 -237.056,-7.5 -237.581,-8.025
Int2 (PWR):
  pour cut-out: -172.931,0.65 -166.281,0.65 -166.281,7.4 -172.931,7.4
Bottom Layer:
  region net 12V0_PWIN: -232.975,-4.125 -232.975,-10.333 -232.352,-10.957 -230.607,-10.957 -228.225,-8.575 -228.225,-3.825 -229.2,-2.85 -231.7,-2.85
  region net VDD_MCU: 70.969,-3.95 70.869,-3.85 67.404,-3.85 66.479,-2.925 65.769,-2.925 65.294,-3.4 63.719,-3.4 63.719,-3.775 65.694,-3.775 65.719,-3.8 65.719,-4.4 63.719,-4.4 63.719,-5.225 65.281,-5.225 65.906,-4.6 67.544,-4.6 67.869,-4.925 70.919,-4.925 70.969,-4.875
  region net VDD_MCU: -222.381,15.45 -222.381,12.825 -221.956,12.4 -219.156,12.4 -218.556,13 -218.556,15.325 -219.106,15.875 -221.956,15.875
  region net 3V3_INT: -227.781,6.95 -227.781,12.4 -226.606,13.575 -223.081,13.575 -222.881,13.775 -222.881,15.05 -225.031,17.2 -226.856,17.2 -226.956,17.1 -226.956,15.425 -227.156,15.225 -229.981,15.225 -230.031,15.175 -230.031,10.375 -228.856,9.2 -228.856,6.95
  region net NetC36_2: -225.856,-16.819 -226.156,-17.119 -226.156,-18.3 -226.606,-18.75 -227.756,-18.75 -227.831,-18.675 -227.831,-17.725 -227.931,-17.625 -227.931,-17.075 -227.906,-17.05 -227.356,-17.05 -226.806,-16.5 -226.806,-15.95 -225.856,-15.95
  region net NetQ28_3: -227.981,-11.3 -227.031,-11.3 -226.688,-10.957 -223.332,-10.957 -222.775,-10.4 -222.775,-6.075 -225.025,-3.825 -227.575,-3.825 -227.981,-4.231
  region net NetC35_2: -225.831,-15.525 -225.856,-15.55 -226.744,-15.55 -227.594,-14.7 -228.981,-14.7 -229.231,-14.45 -229.231,-12.625 -229.506,-12.35 -231.356,-12.35 -231.356,-11.121 -228.685,-11.121 -228.281,-11.525 -228.281,-12.65 -226.906,-14.025 -225.831,-14.025
  pour cut-out: -221.606,-11.375 -221.606,-17.999 -221.556,-18.049 -212.855,-18.049 -212.831,-18.025 -212.831,-11.375
  region net NetC34_1: -224.206,-14.95 -224.206,-15.55 -223.056,-15.55 -222.631,-15.975 -222.631,-16.775 -221.556,-16.775 -221.356,-16.575 -218.931,-16.575 -218.931,-12.875 -221.506,-12.875 -221.656,-13.025 -221.656,-14.663 -221.944,-14.95
  region net 5V0_INT: -215.406,-12.875 -215.406,-16.575 -212.881,-16.575 -211.431,-15.125 -209.456,-15.125 -209.156,-14.825 -209.156,-12.95 -209.456,-12.65 -215.181,-12.65
  region net 5V0_INT: -231.275,8.7 -231.275,2.325 -235.95,-2.35 -238.375,-2.35 -238.375,-3.475 -234.475,-3.475 -229.975,1.025 -229.975,8.7
Multi-Layer:
  pour cut-out: -172.931,0.65 -166.281,0.65 -166.281,7.4 -172.931,7.4
  pour cut-out: 201.069,-18.225 207.719,-18.225 207.719,-11.475 201.069,-11.475
  pour cut-out: 167.069,0.65 173.719,0.65 173.719,7.4 167.069,7.4
  pour cut-out: 116.069,-18.225 122.719,-18.225 122.719,-11.475 116.069,-11.475
  pour cut-out: 99.069,0.65 105.719,0.65 105.719,7.4 99.069,7.4
  pour cut-out: 48.069,-18.225 54.719,-18.225 54.719,-11.475 48.069,-11.475
  pour cut-out: 31.069,0.65 37.719,0.65 37.719,7.4 31.069,7.4
  pour cut-out: -36.931,-18.225 -30.281,-18.225 -30.281,-11.475 -36.931,-11.475
  pour cut-out: -36.931,0.65 -30.281,0.65 -30.281,7.4 -36.931,7.4
  pour cut-out: -189.931,-18.225 -183.281,-18.225 -183.281,-11.475 -189.931,-11.475
  pour cut-out: -104.931,0.65 -98.281,0.65 -98.281,7.4 -104.931,7.4
  pour cut-out: -104.931,-18.225 -98.281,-18.225 -98.281,-11.475 -104.931,-11.475

## Silkscreen, mask and mechanical layers (free items; w line width, h text height)
Top Overlay:
  drawing of 15 lines, arcs and shapes, not listed
  text "SN" at -221.325,-17.125 h1.5
  text "EMT Electronics / Kart Adi : XSL Holder Board / Kart Ref : XSLH  / Kart kodu: 0663-0013/01" at 177.375,-19.05 h1.5

## Text inside footprints (layer, text, board x,y; h text height)
DEVICE_ID: Top Overlay "OFF" at -208.531,17.55 h1.27; Top Overlay "ON" at -201.206,17.6 h1.27; Top Overlay "1" at -208.531,16.375 h1